# Altium PCB PCB7.PcbDoc
Units mm, origin at the board's own origin, x right, y up, seen from the top; angles counter-clockwise.
Board outline 97.62 x 90 mm, 2 copper layers (Top Layer, Bottom Layer); 76 components, 54 nets, 392 pads, 50 vias.
Unrouted connection lines stored in the file: 1.
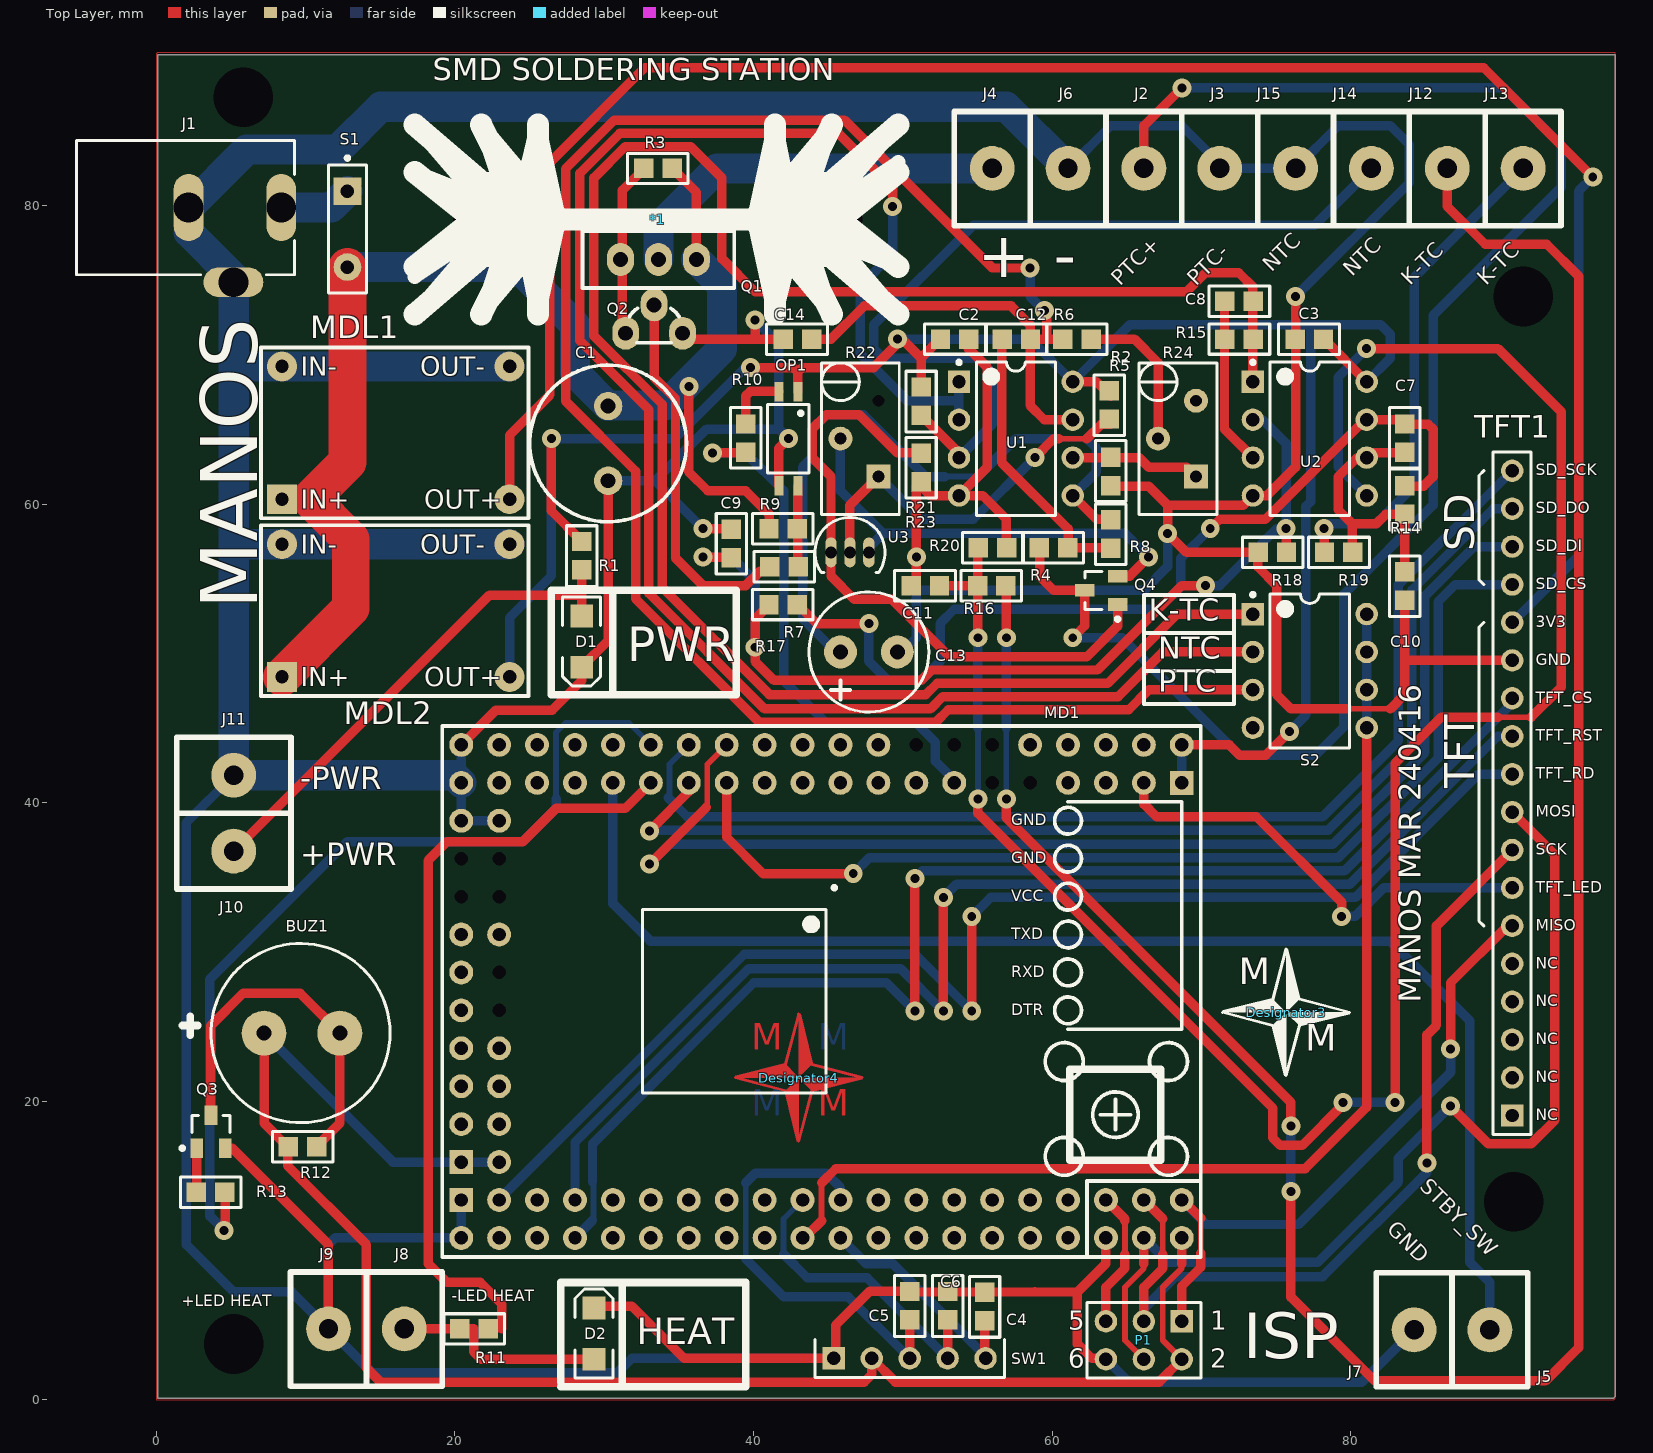
[diagram p0: Top Layer view]
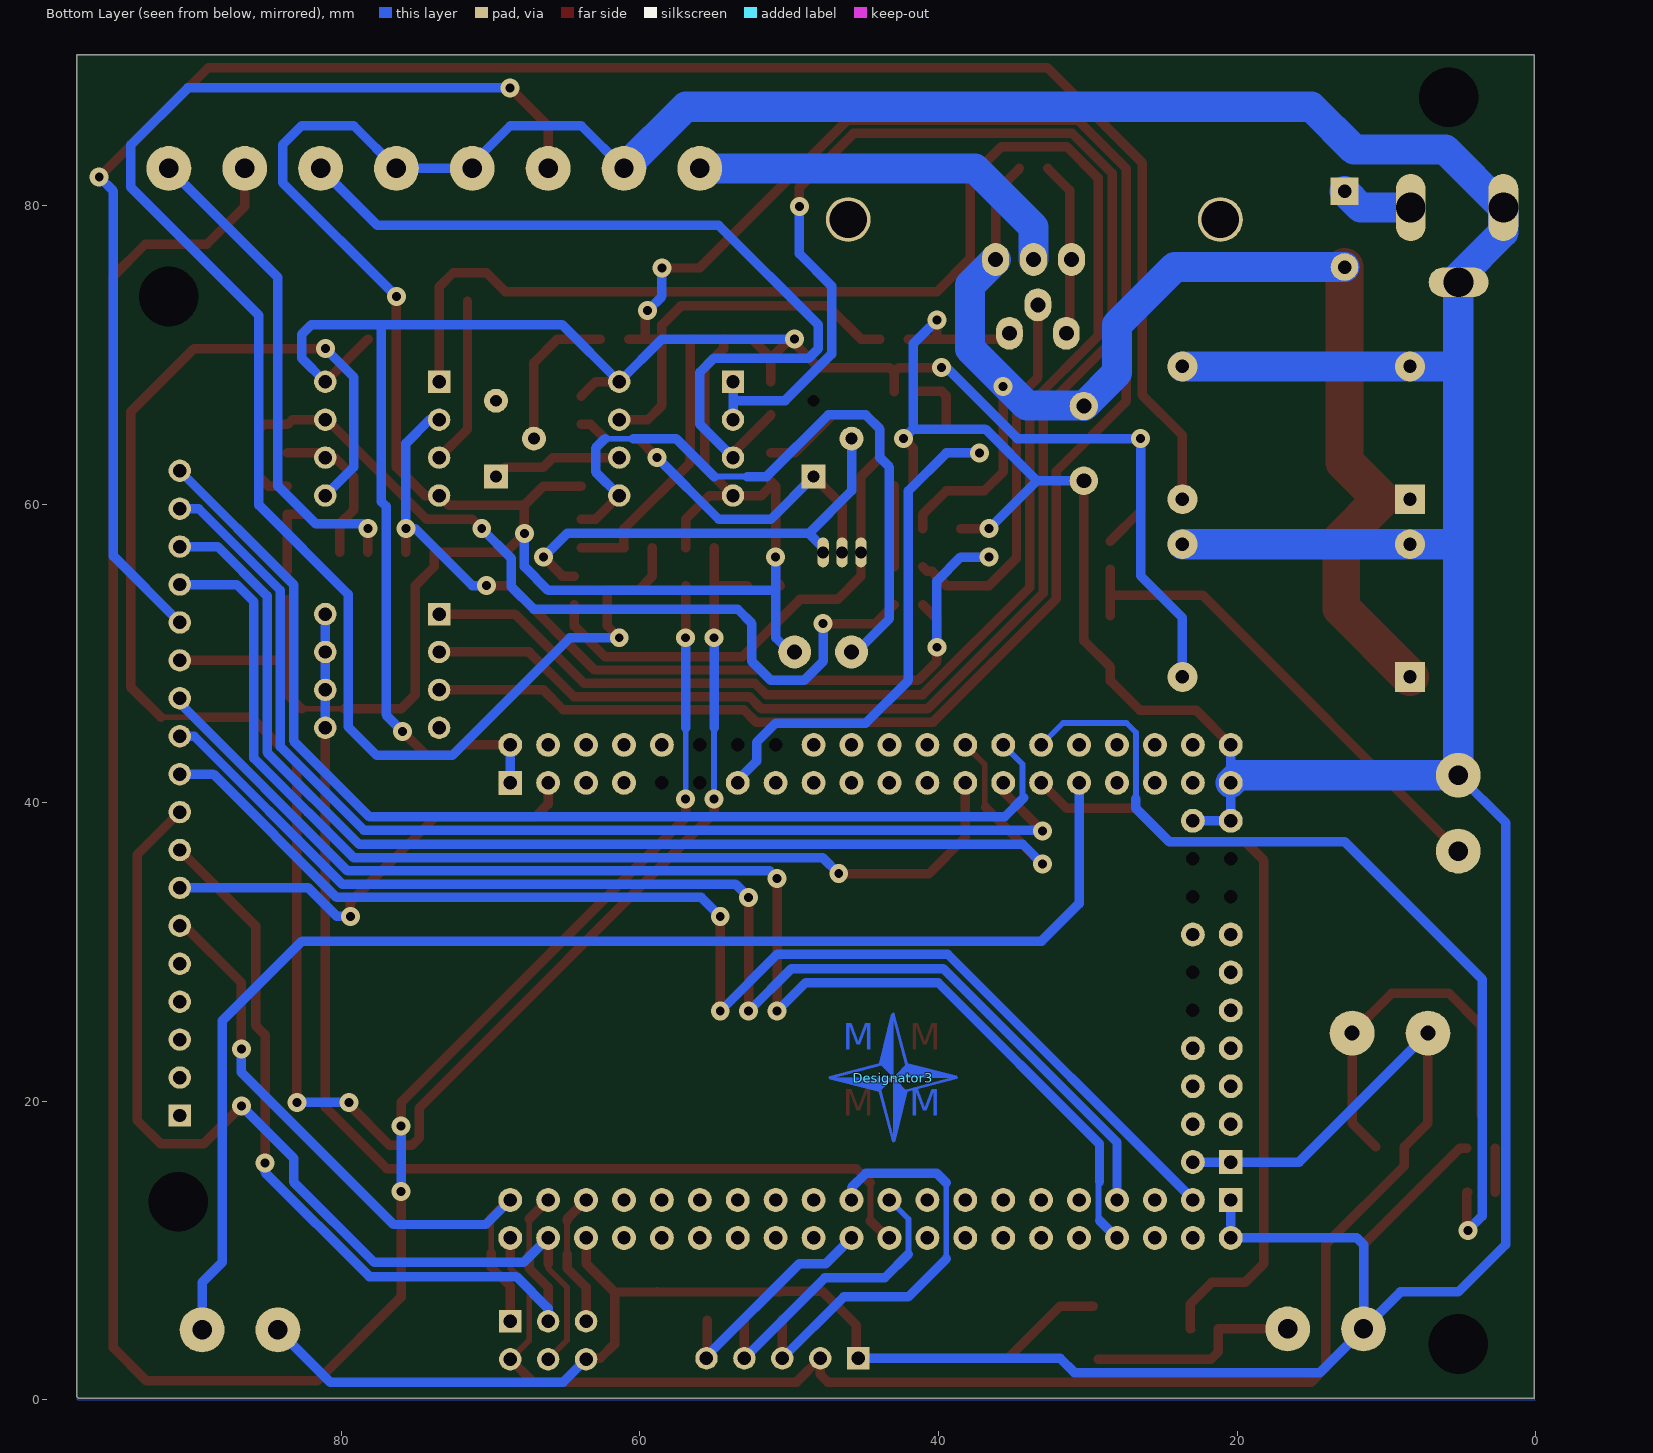
[diagram p1: Bottom Layer view, seen from below]
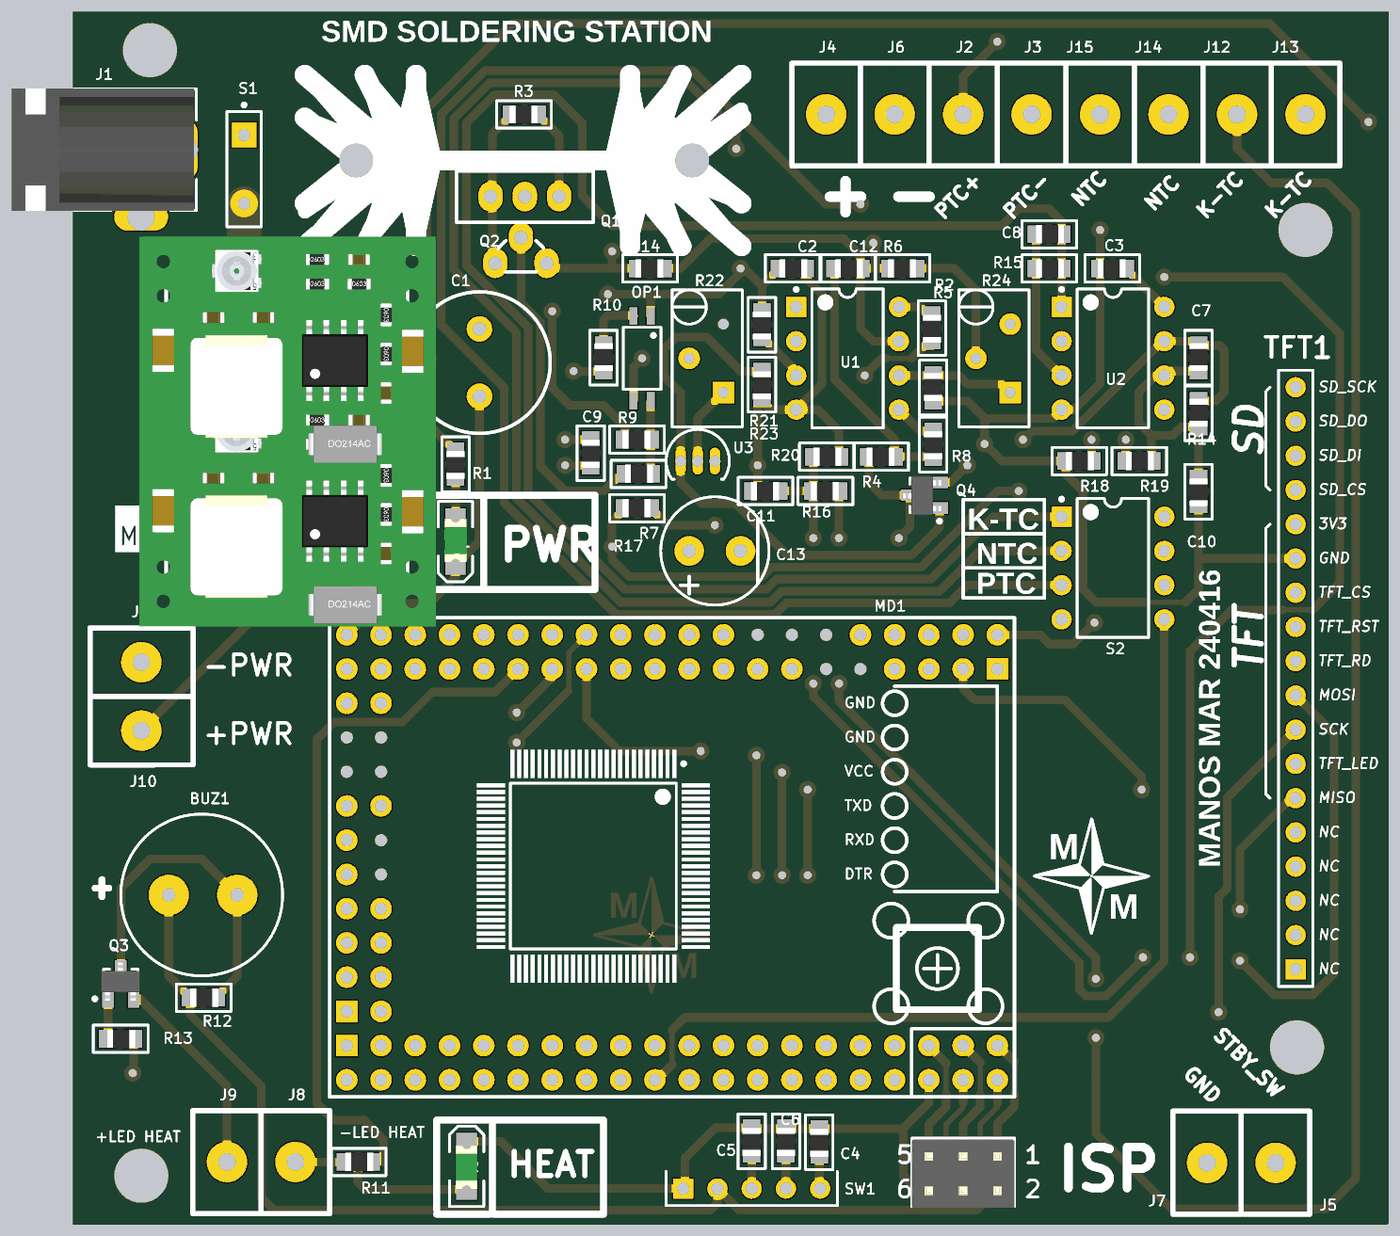
[diagram p2: 3D render of the assembled board from above, using the file's embedded part models]

## Layer stack, top to bottom
Top Solder: solder mask 0.0102, Solder Resist, Dk 3.5
Top Layer: signal copper 0.0356
Dielectric1: dielectric 0.32, FR-4, Dk 4.8
Bottom Layer: signal copper 0.0356
Bottom Solder: solder mask 0.0102, Solder Resist, Dk 3.5

## Board outline
0.097,0.097 0.097,90.097 97.714,90.097 97.704,90.094 97.704,0.231 97.57,0.097

## Design rules (kind name [scope] priority, off if disabled: settings)
Clearance [All] p1: gap=0.254
ComponentClearance [All] p1 off: gap=0.254 collisioncheckmode=3 verticalgap=0.254 showdistances=FALSE
FabricationTestPointUsage TestPointUsage [All] p1: valid=0 allowmultiple=FALSE
FabricationTestpoint Testpoint [(IsPad And (OnTopLayer Or OnBottomLayer))] p1: side=3 testpointundercomponent=TRUE minsize=1.016 maxsize=2.54 preferedsize=1.524 minholesize=0 maxholesize=1.016 preferedholesize=0.813 testpointgrid=0.025 allowsidetop=TRUE allowsidebottom=TRUE usegrid=TRUE gridtolerance=0
HoleSize [All] p1: absolutevalues=TRUE maxlimit=12.7 minlimit=0.025 maxpercent=80.000 minpercent=20.000
PolygonConnect [All] p1: connectstyle=Relief reliefconductorwidth=0.508 reliefentries=4 polygonreliefangle="90 Angle" airgapwidth=0.254
RoutingVias [All] p1: holewidth=0.711 width=1.27 viastyle="Through Hole" minholewidth=0.711 minwidth=1.27 maxholewidth=0.711 maxwidth=1.27
SolderMaskExpansion [All] p1: expansion=0.102
UnpouredPolygon [All] p1: allowunpoured=FALSE
Width [All] p1: maxlimit=12.7 minlimit=0.127 preferedwidth=0.635 minimp=50.000000 maximp=50.000000 favimp=50.000000
25 further rules are at their usual default settings.

## Classes and differential pairs
component class Sheet8: *1 BUZ1 C1 C4 C5 C6 C12 C13 C14 D1 D2 J1 J2 J3 J4 J5 J6 J7 J8 J9 J10 J11 MD1 MDL1 MDL2 OP1 P1 Q1 Q2 Q3 Q4 R1 R2 R3 R4 R5 R6 R7 R8 R9 R10 R11 R12 R13 R22 R23 R24 S1 S2 SW1 TFT1 U1 U3

## Components (designator, comment, footprint, x,y, rotation, side; value= is the part's Value field where it differs from the comment)
*1 "HEAT-S1" "SK 104 HEATSHINK" 33.179,79.057 r180 top
BUZ1 "BUZZER" BUZZER 7.209,24.565 r0 top
C1 "2200uF/35V" RB5-10.5 30.26,64.062 r270 top
C2 "100nF" 0805 54.387,71.047 r180 top
C3 "100nF" 0805 76.3,71.047 r0 top
C4 "100nF" 0805 55.469,5.327 r90 top
C5 "100nF" 0805 50.453,5.391 r90 top
C6 "100nF" 0805 52.993,5.391 r90 top
C7 "10nF" 0805 83.6,65.33 r270 top
C8 "10nF" 0805 73.437,73.587 r180 top
C9 "10nF" 0805 38.512,56.442 r90 top
C10 "10nF" 0805 83.6,53.587 r90 top
C11 "10nF" 0805 50.58,54.537 r0 top
C12 "47nF" 0805 58.515,71.047 r180 top
C13 "10uF/25V" RB-08 45.817,50.092 r180 top
C14 "10nF" 0805 42.01,71.047 r0 top
D1 "PWR" 1206D 28.482,52.505 r270 top
D2 "HEAT" 1206D 29.307,2.721 r90 top
Designator3 "Comment" LOGO_Bottom_Layer 43.021,21.59 r0 top
Designator3 "Comment" LOGO_Top_Overlay 75.663,25.963 r0 top
Designator4 "Comment" LOGO_Top_Layer 43.021,21.59 r0 top
J1 "PWR2.5" "POWER JACK" 4.161,74.857 r0 top
J2 "PTC+" CON2 66.137,82.477 r0 top
J3 "PTC-" CON2 71.217,82.477 r0 top
J4 "+" CON2 55.977,82.477 r0 top
J5 "STBY_SW" CON2 89.315,4.69 r180 top
J6 "-" CON2 61.057,82.477 r0 top
J7 "GND" CON2 84.235,4.69 r180 top
J8 "-LED HEAT" CON2 16.607,4.753 r0 top
J9 "+LED HEAT" CON2 11.527,4.753 r0 top
J10 "+PWR" CON2 5.177,36.757 r90 top
J11 "-PWR" CON2 5.177,41.837 r90 top
J12 "K-TC" CON2 86.457,82.477 r0 top
J13 "K-TC" CON2 91.537,82.477 r0 top
J14 "NTC" CON2 81.377,82.477 r0 top
J15 "NTC" CON2 76.297,82.477 r0 top
MD1 "ATMEGA2860 CORE" "ATMEGA 2560 CORE" 68.677,41.329 r180 top
MDL1 "STEP DOWN CONVERTER" "STEP DOWN CONVERTER MINI" 8.414,69.215 r0 top
MDL2 "STEP DOWN CONVERTER" "STEP DOWN CONVERTER MINI" 8.414,57.309 r0 top
OP1 "PC814" SOP-4 42.325,64.38 r180 top
P1 "ISP" HDR2X3 68.677,5.261 r180 top
Q1 "IRF9530" TO-220V 31.085,76.381 r0 top
Q2 "BS170" T0-92 33.337,73.343 r180 top
Q3 "MMBTA42" SO-G3 3.653,17.961 r0 top
Q4 "MMBTA92" SO-G3 63.28,54.22 r90 top
R1 "1K" 0805 28.482,55.619 r90 top
R2 "10K" 0805 63.912,63.11 r270 top
R3 "10K" 0805 32.675,82.477 r0 top
R4 "10K" 0805 59.155,57.077 r0 top
R5 "1K" 0805 63.817,65.722 r90 top
R6 "220K" 0805 60.742,71.047 r0 top
R7 "220R" 0805 42.957,55.807 r180 top
R8 "15K" 0805 63.915,57.08 r90 top
R9 "2K2" 0805 41.057,58.347 r0 top
R10 "330R" 0805 39.467,65.33 r270 top
R11 "1K" 0805 22.195,4.753 r180 top
R12 "1K" 0805 10.699,16.945 r180 top
R13 "4K7" 0805 4.542,13.897 r180 top
R14 "100K/1%" 0805 83.6,61.202 r270 top
R15 "24K/1%" 0805 73.437,71.047 r180 top
R16 "10K" 0805 55.027,54.537 r0 top
R17 "1K" 0805 41.057,53.267 r0 top
R18 "24K/1%" 0805 75.66,56.76 r180 top
R19 "10K" 0805 80.105,56.76 r180 top
R20 "100K/1%" 0805 56.927,57.077 r180 top
R21 "10K/1%" 0805 51.215,65.967 r90 top
R22 "5K" VR6#1 48.357,64.38 r90 top
R23 "120K" 0805 51.215,61.525 r90 top
R24 "100K" VR6#2 69.63,64.38 r90 top
S1 "SW-SPST" SPST-2 12.797,78.413 r270 top
S2 "SW DIP-4" DIP-8 77.25,48.822 r0 top
SW1 "ENCODER" HDR1X5 45.373,2.785 r0 top
TFT1 "2.4 ILI9341" HDR1X18 90.805,19.05 r90 top
U1 "LT1013" DIP-8 57.565,64.38 r0 top
U2 "LT1013" DIP-8 77.25,64.38 r0 top
U3 "LM336" Z03A 46.452,56.76 r270 top

## Footprints (in the part's own frame and the unit in brackets; to place one, negate y for a bottom-side part, rotate by r counter-clockwise, add the part's x,y. Pads: shape width x height; smd on the part's side, far side on the other; paste and mask are expansions set on the pad)
0805 [mm]
  rect 1.3x1.3 smd: 1(-0.029,0) 2(1.871,0)
  silkscreen extent -1.13,-1.02 2.93,1.02, body extent -0.19,-0.68 1.91,0.68, height 0.6
1206D [mil] "1206 DIODE (LED)"
  rect 60x60 smd: 1(0,0) 2(135,0)
  silkscreen extent -50,-50 185,50, body extent 2,-31 128,32, height 43
"ATMEGA 2560 CORE" [mm]
  rect 1.6x1.6 hole 0.9: 1(0,0) 41(48.26,27.94) 81(48.26,25.4)
  rect 0.3x2.1 on Top Overlay: 1(23.972,7.025) 2(24.472,7.025) 3(24.972,7.025) 4(25.472,7.025) 5(25.972,7.025) 6(26.472,7.025) 7(26.972,7.025) 8(27.472,7.025) 9(27.972,7.025) 10(28.472,7.025) 11(28.972,7.025) 12(29.472,7.025) 13(29.972,7.025) 14(30.472,7.025) 15(30.972,7.025) 16(31.472,7.025) 17(31.972,7.025) 18(32.472,7.025) 19(32.972,7.025) 20(33.472,7.025) 21(33.972,7.025) 22(34.472,7.025) 23(34.972,7.025) 24(35.472,7.025) 25(35.972,7.025) 51(35.972,22.225) 52(35.472,22.225) 53(34.972,22.225) 54(34.472,22.225) 55(33.972,22.225) 56(33.472,22.225) 57(32.972,22.225) 58(32.472,22.225) 59(31.972,22.225) 60(31.472,22.225) 61(30.972,22.225) 62(30.472,22.225) 63(29.972,22.225) 64(29.472,22.225) 65(28.972,22.225) 66(28.472,22.225) 67(27.972,22.225) 68(27.472,22.225) 69(26.972,22.225) 70(26.472,22.225) 71(25.972,22.225) 72(25.472,22.225) 73(24.972,22.225) 74(24.472,22.225) 75(23.972,22.225)
  round 1.6 hole 0.9: 2(0,-2.54) 3(2.54,0) 4(2.54,-2.54) 5(5.08,0) 6(5.08,-2.54) 7(7.62,0) 8(7.62,-2.54) 10(10.16,-2.54) 13(15.24,0) 15(17.78,0) 17(20.32,0) 18(20.32,-2.54) 19(22.86,0) 20(22.86,-2.54) 21(25.4,0) 22(25.4,-2.54) 23(27.94,0) 24(27.94,-2.54) 25(30.48,0) 26(30.48,-2.54) 27(33.02,0) 28(33.02,-2.54) 29(35.56,0) 30(35.56,-2.54) 31(38.1,0) 32(38.1,-2.54) 33(40.64,0) 34(40.64,-2.54) 35(43.18,0) 36(43.18,-2.54) 37(45.72,0) 38(45.72,-2.54) 39(48.26,0) 40(48.26,-2.54) 42(48.26,30.48) 43(45.72,27.94) 44(45.72,30.48) 45(43.18,27.94) 46(43.18,30.48) 47(40.64,27.94) 48(40.64,30.48) 49(38.1,27.94) 50(38.1,30.48) 51(35.56,27.94) 52(35.56,30.48) 53(33.02,27.94) 54(33.02,30.48) 55(30.48,27.94) 56(30.48,30.48) 57(27.94,27.94) 58(27.94,30.48) 59(25.4,27.94) 60(25.4,30.48) 61(22.86,27.94) 62(22.86,30.48) 63(20.32,27.94) 64(20.32,30.48) 65(17.78,27.94) 66(17.78,30.48) 67(15.24,27.94) 68(15.24,30.48) 69(12.7,27.94) 70(12.7,30.48) 71(10.16,27.94) 72(10.16,30.48) 73(7.62,27.94) 74(7.62,30.48) 75(5.08,27.94) 76(5.08,30.48) 77(2.54,27.94) 78(2.54,30.48) 79(0,27.94) 80(0,30.48) 82(45.72,25.4) 83(48.26,22.86) 84(45.72,22.86) 85(48.26,20.32) 86(45.72,20.32) 87(48.26,17.78) 88(45.72,17.78) 89(48.26,15.24) 91(48.26,12.7) 93(48.26,10.16) 94(45.72,10.16) 99(48.26,2.54) 100(45.72,2.54)
  round 0 hole 0.9: 9(10.16,0) 11(12.7,0) 12(12.7,-2.54) 14(15.24,-2.54) 16(17.78,-2.54) 90(45.72,15.24) 92(45.72,12.7) 95(48.26,7.62) 96(45.72,7.62) 97(48.26,5.08) 98(45.72,5.08)
  rect 2.1x0.3 on Top Overlay: 26(37.572,8.625) 27(37.572,9.125) 28(37.572,9.625) 29(37.572,10.125) 30(37.572,10.625) 31(37.572,11.125) 32(37.572,11.625) 33(37.572,12.125) 34(37.572,12.625) 35(37.572,13.125) 36(37.572,13.625) 37(37.572,14.125) 38(37.572,14.625) 39(37.572,15.125) 40(37.572,15.625) 41(37.572,16.125) 42(37.572,16.625) 43(37.572,17.125) 44(37.572,17.625) 45(37.572,18.125) 46(37.572,18.625) 47(37.572,19.125) 48(37.572,19.625) 49(37.572,20.125) 50(37.572,20.625) 76(22.372,20.625) 77(22.372,20.125) 78(22.372,19.625) 79(22.372,19.125) 80(22.372,18.625) 81(22.372,18.125) 82(22.372,17.625) 83(22.372,17.125) 84(22.372,16.625) 85(22.372,16.125) 86(22.372,15.625) 87(22.372,15.125) 88(22.372,14.625) 89(22.372,14.125) 90(22.372,13.625) 91(22.372,13.125) 92(22.372,12.625) 93(22.372,12.125) 94(22.372,11.625) 95(22.372,11.125) 96(22.372,10.625) 97(22.372,10.125) 98(22.372,9.625) 99(22.372,9.125) 100(22.372,8.625)
  silkscreen extent -1.27,-3.81 49.53,31.75